# Altium PCB Main.PcbDoc (part 3 of 3)
Units mm, origin at the board's own origin, x right, y up, seen from the top; angles counter-clockwise.
Board outline 100 x 60 mm, 2 copper layers (Top Layer, Bottom Layer); 313 components, 187 nets, 848 pads, 489 vias.
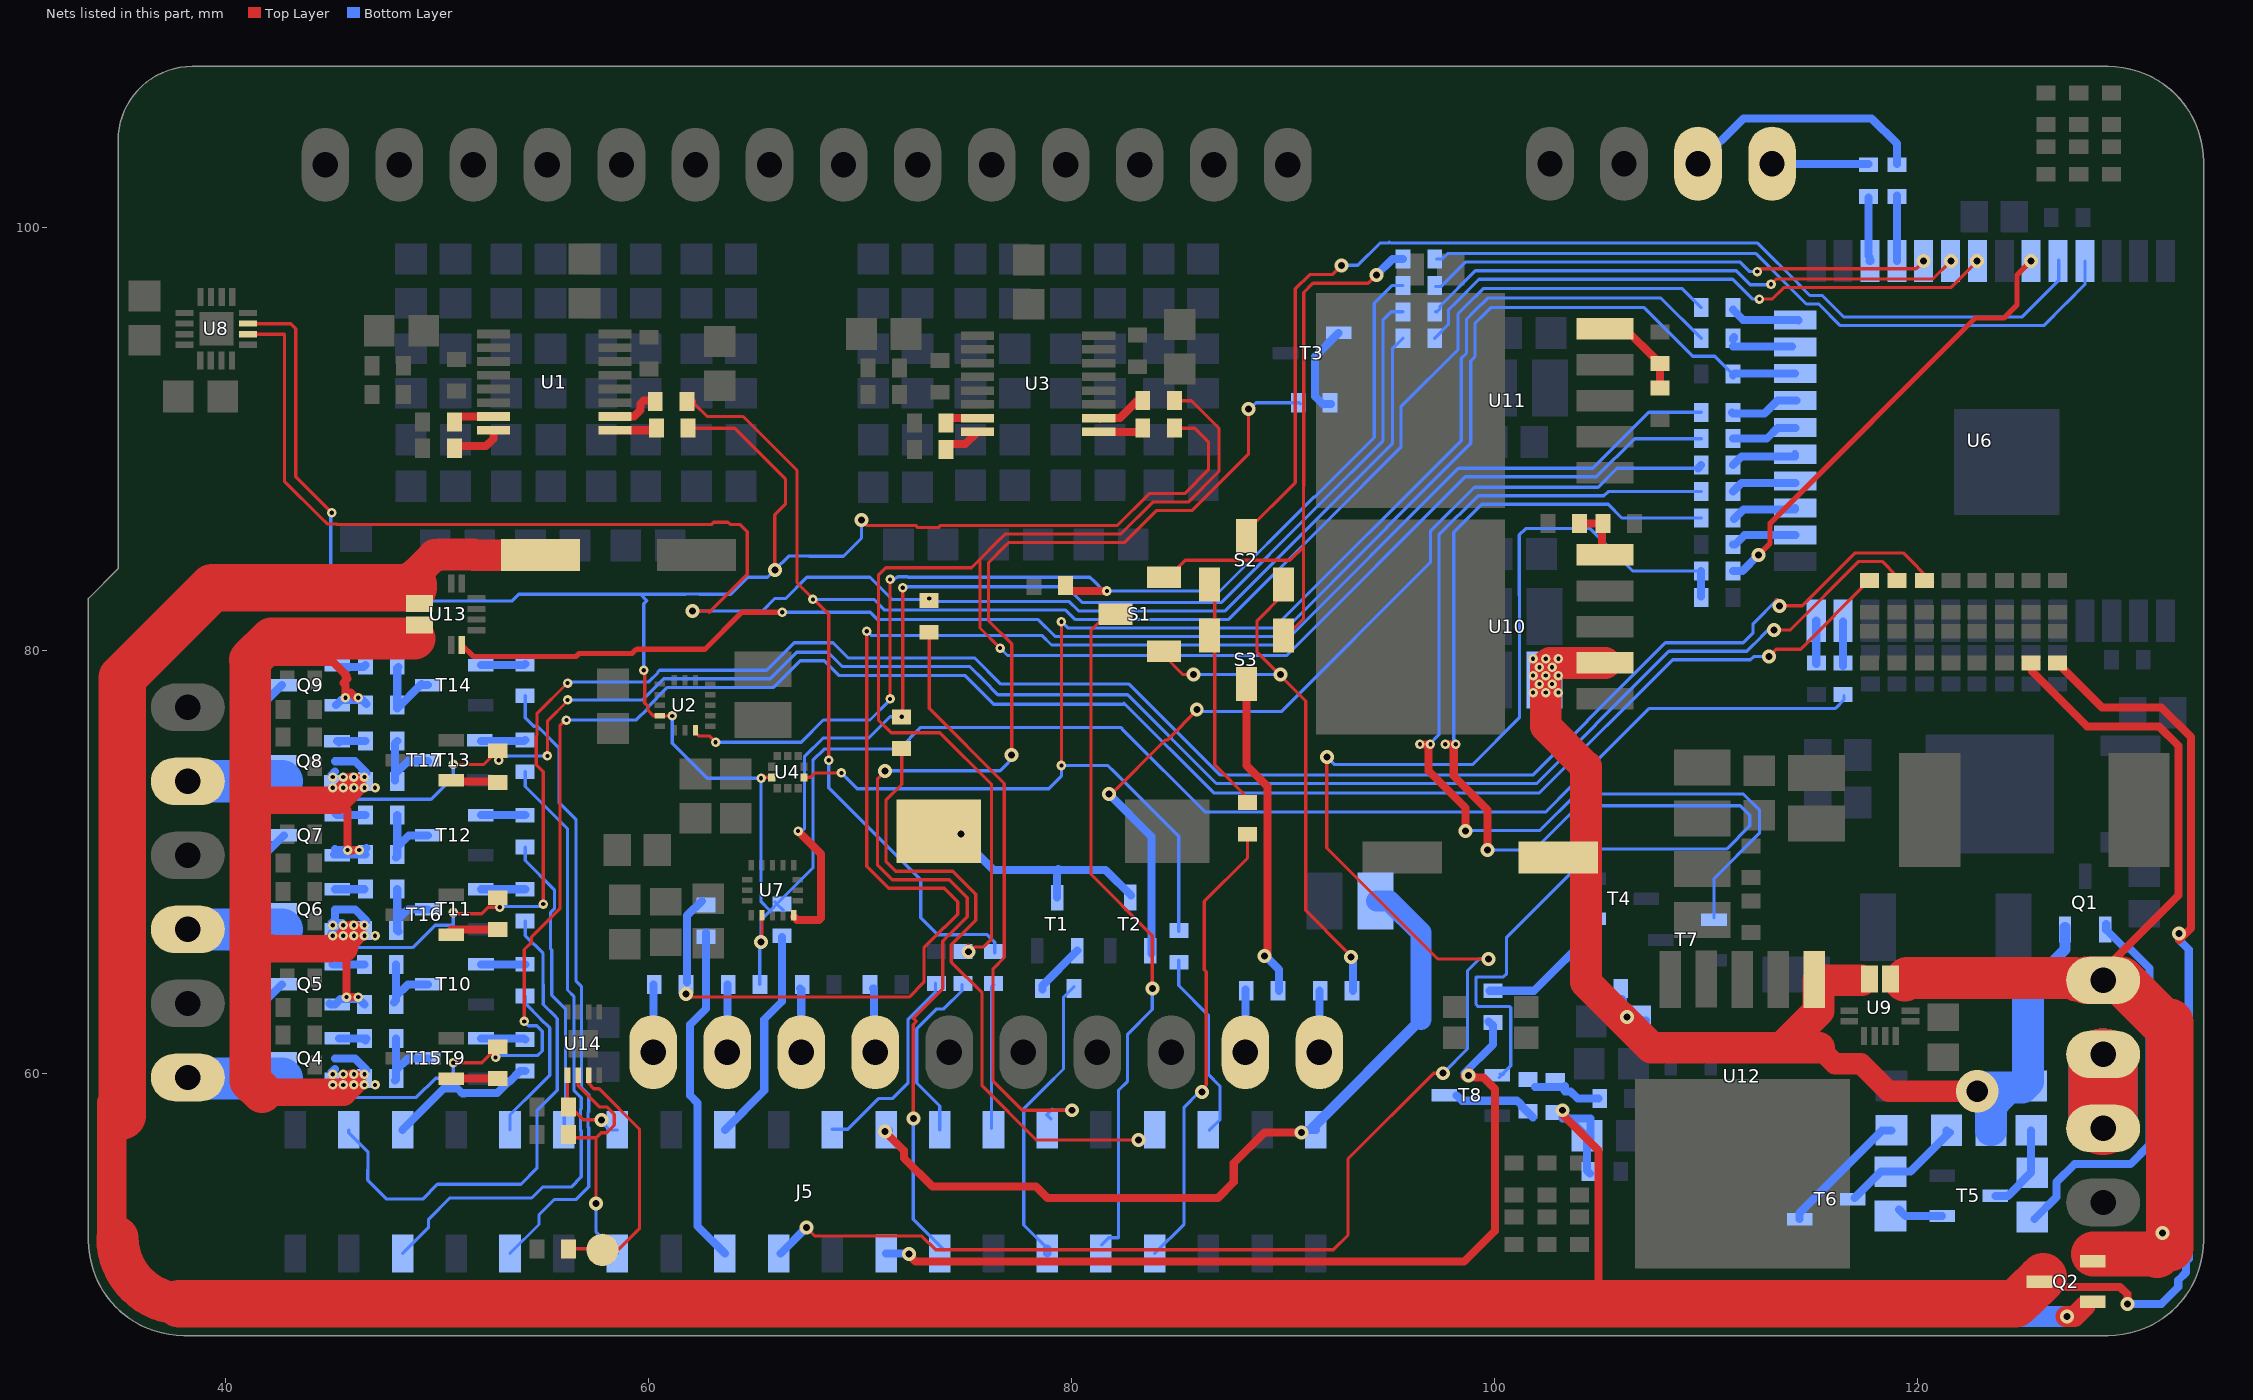
[diagram p3: the nets of this part, all layers, seen from the top]

## Via types
v1: diameter 0.45, hole 0.2, Top Layer to Bottom Layer, 295 vias
v2: diameter 0.66, hole 0.33, Top Layer to Bottom Layer, 147 vias
v3: diameter 1.02, hole 1.02, Top Layer to Bottom Layer, 40 vias
v4: diameter 2.75, hole 2.75, Top Layer to Bottom Layer, 4 vias
v5: diameter 1.6, hole 1.6, Top Layer to Bottom Layer, 2 vias
v6: diameter 2, hole 1, Top Layer to Bottom Layer, 1 vias

## Nets (pads, with @x,y where several pads share a name; then routed paths per layer and width w, separated by ;. In a path a pad name is that pad's centre, name@x,y a point inside that pad or via, vN(x,y) a via of type N, cw(c..) or ccw(c..) an arc to the next point about the centre after c; other vN are vias at no path point) (continued)
NetJ5_5: J5.5 R96.1 | length 9.1
  Bottom Layer w0.152: R96.1@85.05,65.35 85.05,64.15 86.45,62.75 86.45,59.943 87,59.393 87,57.8 J5.5@86.5,57.3
NetJ5_7: J5.7 R97.1 | length 29.1
  Top Layer w0.152: R97.1@71.95,75.3 71.953,75.297 71.953,73.653 71.203,72.903 71.203,70.018 71.671,69.55 74.37,69.55 75.453,68.467 75.453,67.227 74.317,66.09 74.304,66.09 74.297,66.083 74.297,65.253 75.75,63.8 75.75,59.4 78.3,56.85 v2(83.15,56.85)
NetJ5_8: J5.8 R94.2 | length 21.9
  Top Layer w0.152: v2@86,59.1 86.344,59.444 86.344,64.792 86.25,64.886 86.25,68.124 88.3,70.174 R94.2@88.3,71.3 R94.2@88.35,71.35
  Bottom Layer w0.152: J5.8@83.91,51.479 85.3,52.869 85.3,58.4 86.006,59.106 v2(86.152,59.106)
NetJ5_10: J5.10 S1.3 | length 32.1
  Top Layer w0.152: S1.3@81.3,81.35 80.9,80.95 80.9,69.4 83.8,66.5 v2(83.8,64)
  Bottom Layer w0.152: J5.10@81.4,51.884 81.742,52.226 82.2,52.226 82.2,59.2 82.629,59.629 82.629,61.843 83.8,63.014 v2(83.8,64)
NetJ5_11: J5.11 R98.1 | length 28.8
  Top Layer w0.152: R98.1@73.25,80.8 73.25,77.25 76.8,73.7 76.8,65.474 76.272,64.946 76.272,59.628 77.65,58.25 v2(80,58.25)
  Bottom Layer w0.152: J5.11@78.992,57.85 78.8,58.042 79.058,58.3 79.108,58.25 v2(80,58.25)
NetJ5_12: J5.12 R53.1 | length 14.1
  Bottom Layer w0.152: J5.12@78.83,51.72 77.725,52.825 77.725,58.325 78.753,59.353 79.6,60.2 79.6,63.6 R53.1@80.1,64.1
  Bottom Layer w0.381: J5.12@78.83,51.479 J5.12@78.83,51.72
NetJ5_13: J5.13 R99.1 | length 6.8
  Bottom Layer w0.152: J5.13@76.2,57.4 76.2,64.1 R99.1@76.3,64.2
NetJ5_15: J5.15 R100.1 | length 8.4
  Bottom Layer w0.152: J5.15@73.75,57.321 73.75,58.45 72.662,59.538 72.662,62.097 73.609,63.043 73.943,63.043 74.8,63.9 R100.1@74.8,64.2
NetJ5_16: J5.16 R56.2 | length 63.2
  Top Layer w0.152: v2(71.15,74.3) 71.15,74.25 70.8,73.9 70.8,69.851 71.504,69.147 74.203,69.147 75.05,68.3 75.05,67.394 74.15,66.494 74.137,66.494 73.894,66.25 73.894,63.994 72.5,62.6 72.65,62.45 72.5,62.3 v2(72.5,57.85) ; v2(77.15,75.05) 77.15,79.859 77.15,80.297 76.053,81.394 76.053,84.133 76.853,84.933 77.014,85.094 81.13,85.094 81.133,85.09 82.481,85.09 83.99,86.6 85.664,86.6 88.35,89.286 v2(88.35,91.4)
  Bottom Layer w0.152: v2(71.15,74.3) 76.6,74.3 v2@77.4,75.1 ; v2(72.5,57.85) 72.5,53.097 73.947,51.65 J5.16@73.95,51.65 ; v2@88.4,91.5 88.4,91.4 88.7,91.7 90.75,91.7 R56.2@90.8,91.65
NetJ5_18: J5.18 R72.1 | length 41.7
  Top Layer w0.381: v2@72.275,51.425 72.606,51.094 98.544,51.094 100,52.55 100,59.25 99.45,59.8 99.05,59.8 98.85,60 98.779,60.071 v2@98.608,59.9 ; v2@98.55,59.842 v2@98.608,59.9 ; v2(98.75,59.9) v2@98.608,59.9
  Bottom Layer w0.381: J5.18@71.21,51.479 72.329,51.479 v2(72.3,51.45) ; v2(98.75,59.9) 98.65,59.9 98.55,60 99.9,61.35 99.9,62.25 R72.1@99.7,62.45
NetJ5_19: J5.19 R101.1 | length 9.8
  Bottom Layer w0.152: J5.19@68.65,57.35 69.4,57.35 70.85,58.8 71.5,58.8 72.25,59.55 72.25,59.903 ; 72.253,59.907 72.25,59.903 ; R101.1@73.55,64.25 73.55,63.85 72.25,62.55 72.25,59.903
NetJ5_22: J5.22 R85.2 R87.2 | length 88.5
  Top Layer w0.152: v2(67.45,52.7) 67.85,52.3 72.9,52.3 73.55,51.65 92.35,51.65 93.05,52.35 93.05,55.95 97.1,60 v2(97.55,60) ; v2(92.05,74.95) 92.05,70.65 97.3,65.4 v2(99.7,65.4)
  Bottom Layer w0.152: v2(92.05,74.95) 92.4,74.6 98.527,74.6 98.53,74.597 98.947,74.597 101.153,76.803 101.153,83.072 101.15,83.075 ; v2(97.55,60) 98.697,61.147 98.697,64.696 98.7,64.699 98.7,64.85 99.25,65.4 v2(99.7,65.4) ; 101.15,82.6 101.15,83.075 ; R87.2@109.75,83.75 106.5,83.75 104.5,85.75 101.45,85.75 101.15,85.45 101.15,83.075
  Bottom Layer w0.381: J5.22@66.229,51.479 v2(67.45,52.7) ; R85.2@109.75,82.55 R87.2@109.75,83.75
NetJ5_23: J5.23 R102.1 | length 10.3
  Bottom Layer w0.381: J5.23@63.59,57.321 65.45,59.181 65.45,62.55 66.3,63.4 R102.1@66.3,66.45
NetJ5_24: J5.24 R103.2 | length 16.2
  Bottom Layer w0.381: R103.2@62.7,66.65 62.7,63.05 61.95,62.3 61.95,58.95 62.3,58.6 62.3,52.769 J5.24@63.59,51.479
NetJ5_27: J5.27 R164.1 U14.5 | length 4.3
  Top Layer w0.152: U14.5@56.15,59.905 56.15,58.55 56.9,57.8 v2(57.75,57.8)
  Bottom Layer w0.152: v2(57.75,57.8) 57.75,57.7 58.129,57.321 J5.27@58.51,57.321
NetJ5_28: J5.28 R165.1 U14.6 | length 11.6
  Top Layer w0.152: R165.1@56.25,56.95 57.5,56.95 ; U14.6@56.65,59.95 U14.6@56.65,59.905 56.65,59.4 57.64,58.41 58.002,58.41 58.359,58.052 58.359,57.547 58.002,57.19 57.74,57.19 57.5,56.95 ; v2@57.5,53.8 57.5,56.95
  Bottom Layer w0.152: v2@57.5,53.8 57.5,52.489 J5.28@58.51,51.479
  other v2: 57.5,53.85
NetJ5_29: J5.29 R141.1 | length 14.3
  Bottom Layer w0.152: R141.1@54.15,70.7 54.15,70.057 55.528,68.679 55.528,67.781 55.35,67.603 55.35,65.877 55.403,65.824 55.403,63.697 56.05,63.05 56.05,58.47 56,58.42 56,57.351 J5.29@55.97,57.321
NetJ5_31: J5.31 R134.1 | length 7.6
  Bottom Layer w0.152: J5.31@53.43,57.321 53.43,58.03 54.756,59.356 54.763,59.356 55.306,59.899 55.306,62.142 54.863,62.585 54.863,62.587 54.15,63.3 R134.1@54.15,63.65
NetJ5_32: J5.32 R148.1 | length 29.9
  Bottom Layer w0.152: J5.32@53.43,51.479 54.8,52.849 54.8,53.3 55.534,54.034 56.56,54.034 57.156,54.629 57.156,57.432 57.115,57.473 57.115,58.127 57.156,58.168 57.156,58.985 56.806,59.335 56.806,64.105 56.553,64.357 56.553,71.98 55.75,72.783 55.75,75.379 55.691,75.438 55.689,75.438 55.038,76.089 55.038,76.091 54.726,76.403 54.547,76.403 54.15,76.8 R148.1@54.15,77.85
NetJ5_35: J5.35 R131.1 | length 7.1
  Bottom Layer w0.381: J5.35@48.35,57.321 48.35,57.325 50.294,59.269 50.956,59.269 51.175,59.05 51.281,59.05 51.292,59.061 52.828,59.061 53.367,59.6 53.4,59.6 53.9,60.1 R131.1@54.15,60.1
NetJ5_36: J5.36 R145.1 | length 30.5
  Bottom Layer w0.152: J5.36@48.35,51.479 49.582,52.711 49.582,53.1 50.582,54.1 54.45,54.1 54.968,54.618 56.318,54.618 56.8,55.1 56.8,57.285 56.759,57.326 56.759,58.274 56.8,58.315 56.8,58.838 56.45,59.188 56.45,63.634 56.15,63.934 56.15,71.557 54.15,73.557 R145.1@54.15,74.25
NetJ5_37: J5.37 R138.1 | length 24.5
  Bottom Layer w0.152: J5.37@45.81,57.321 45.81,57.19 46.714,56.286 46.714,55.386 ; 46.7,55.45 46.7,54.95 47.6,54.05 49.3,54.05 50,54.75 53.95,54.75 54.7,55.5 54.7,58.232 55.661,59.193 55.661,62.589 55.542,62.708 55,63.25 55,64.2 54.994,64.206 54.994,65.663 54.15,66.507 R138.1@54.15,67.2
NetJ7_1: J7.1 J12.2 | length 5.5
  Top Layer w3.25: J7.1@128.75,57.75 J12.2@128.75,60.5
  Bottom Layer w3.25: J7.1@128.75,57.8 J12.2@128.75,60.5
NetJ14_1: J14.1 Q4.3 R67.2 R129.2 R150.1 | length 106
  Top Layer w0.152: v1(50.75,60.499) 52.099,60.499 R150.1@52.85,61.25 ; v1(54.1,62.45) 54.1,65.849 54.45,66.199 54.45,66.45 55.8,67.8 55.8,76.45 56.075,76.725 v1(56.1,76.7) ; v2(112.95,79.7) 113.3,80.05 114.45,80.05 R67.2@117.7,83.3
  Bottom Layer w0.152: 40.55,59.75 R129.2@40.55,60.8 ; 42.64,59.75 42.89,59.5 43.75,59.5 44.394,58.856 49.006,58.856 49.912,59.762 50.512,59.762 50.75,60 v1(50.75,60.499) ; v1(52.75,60.75) 52.844,60.844 54.744,60.844 54.95,61.05 54.95,61.995 54.695,62.25 54.3,62.25 v1(54.1,62.45) ; v1(56.1,76.7) 56.103,76.703 59.405,76.703 59.935,77.233 59.935,77.308 60.871,78.244 65.894,78.244 67.153,79.503 68.297,79.503 69,78.8 74.95,78.8 76.3,77.45 82.506,77.45 ; 82.461,77.497 86.704,73.253 102.103,73.253 108.401,79.551 112.078,79.551 112.226,79.7 v2(112.95,79.7)
  Bottom Layer w2: J14.1@38.65,59.75 40.55,59.75 42.64,59.75
NetJ15_1: J15.1 Q6.3 R57.2 R136.2 R152.1 | length 104.3
  Top Layer w0.152: v1(50.75,67.6) 50.812,67.537 52.087,67.537 52.4,67.85 v1(52.95,67.85) ; v1(55,68) 55,74.25 54.672,74.578 54.672,75.922 54.7,75.95 54.7,77 v1(56.15,78.45) ; 113.3,82.4 113.45,82.25 v2(113.45,82.1) 114.53,82.1 117.033,84.603 119.297,84.603 120.7,83.2 120.3,83.2 R57.2@120.3,83.3
  Bottom Layer w0.152: 40.55,66.8 R136.2@40.55,67.85 ; 42.9,66.55 43.503,65.947 48.847,65.947 49.9,67 50.75,67 v1(50.75,67.6) ; v1(52.95,67.85) 52.981,67.881 54.881,67.881 v1(55,68) ; v1(56.15,78.45) 56.15,78.4 56.25,78.5 59.986,78.5 60.428,78.942 60.428,78.978 60.5,79.05 65.56,79.05 66.86,80.35 68.7,80.35 69.416,79.634 71.35,79.634 ; 71.357,79.634 75.407,79.634 76.641,78.4 82.7,78.4 86.699,74.399 86.748,74.35 ; 86.7,74.4 86.997,74.103 101.813,74.103 104.36,76.65 104.36,76.66 108.058,80.358 111.744,80.358 112.203,80.817 112.203,81.253 113.35,82.4 113.45,82.3 v2(113.45,82.1)
  Bottom Layer w2: J15.1@38.7,66.8 40.55,66.8 42.65,66.8
NetJ16_1: J16.1 Q8.3 R61.2 R143.2 R154.1 | length 94.2
  Top Layer w0.152: v1(50.75,74.599) 52.2,74.599 R154.1@52.85,75.25 52.85,74.85 v1(52.9,74.8) ; v1(55.2,75) 55.1,75 55.084,75.016 55.316,75.016 55.2,75.131 55.2,76.65 56.15,77.6 v1(56.15,77.65) ; v2(113.2,80.95) 113.95,80.95 117.2,84.2 118.3,84.2 119,83.5 R61.2@119,83.3
  Bottom Layer w0.152: 40.55,73.8 R143.2@40.55,74.8 ; 42.65,73.8 43.5,72.95 46.121,72.95 46.124,72.953 47.076,72.953 47.079,72.95 47.621,72.95 47.624,72.953 48.576,72.953 48.579,72.95 49.7,72.95 50.75,74 v1(50.75,74.599) ; v1(52.9,74.8) 53.094,74.994 v1@55.1,74.994 ; v1(56.15,77.65) 59.707,77.65 60.704,78.647 65.727,78.647 66.986,79.906 68.464,79.906 69.139,79.231 75.169,79.231 75.8,78.6 76.5,77.9 82.628,77.9 86.828,73.7 101.98,73.7 104.763,76.483 104.763,76.493 108.225,79.955 111.911,79.955 112.606,80.65 112.606,80.656 112.9,80.95 v2(113.2,80.95)
  Bottom Layer w2: J16.1@38.7,73.8 40.55,73.8 42.65,73.8
NetJ17_1: J17.1 R155.2 | length 3
  Bottom Layer w0.381: R155.2@70.594,64 70.65,64 70.65,61.15 J17.1@70.7,61.1
NetJ17_2: J17.2 R156.2 | length 2.9
  Bottom Layer w0.381: R156.2@67.15,64 67.2,63.95 J17.2@67.2,61.1
NetJ18_1: J18.1 R157.2 | length 3.3
  Bottom Layer w0.381: J18.1@63.7,60.95 63.71,60.96 R157.2@63.71,64.2
NetJ18_2: J18.2 R158.2 | length 3.2
  Bottom Layer w0.381: J18.2@60.2,61 60.21,61.01 R158.2@60.21,64.2
NetJ19_1: J19.1 R159.2 | length 11.7
  Bottom Layer w0.381: J19.1@109.6,103 111.744,105.144 117.806,105.144 119,103.95 R159.2@119,102.99
NetJ19_2: J19.2 R160.2 | length 4.7
  Bottom Layer w0.381: J19.2@113,102.9 113.09,102.99 R160.2@117.65,102.99
NetJ20_1: J20.1 R161.2 | length 2.9
  Bottom Layer w0.381: J20.1@91.7,61 R161.2@91.7,63.9
NetJ20_2: J20.2 R162.2 | length 2.9
  Bottom Layer w0.381: J20.2@88.2,61.1 R162.2@88.2,63.95
NetLS1_1: LS1.1 T1.3 T2.3 | length 11
  Bottom Layer w0.381: v2@74.6,71.3 v2(74.75,71.3) v2@74.945,71.3 ; v2@74.65,71.25 76.295,69.605 79.305,69.605 ; T1.3@79.3,68.305 79.3,69.6 79.305,69.605 ; 79.35,69.65 79.305,69.605 ; 79.4,69.605 79.305,69.605 ; 79.45,69.6 79.46,69.61 81.59,69.61 T2.3@82.8,68.4
NetQ1_1: Q1.1 R89.2 | length 18.7
  Bottom Layer w0.381: R89.2@125.5,53.1 126.55,54.15 126.55,54.85 127.4,55.7 130.05,55.7 130.95,56.6 130.95,64.963 130.004,65.909 129.776,65.909 128.9,66.785 Q1.1@128.9,67.05
NetQ2_1: Q2.1 R115.2 | length 21.9
  Top Layer w1: v2@127,48.5 127.4,48.5 Q2.1@127.9,49
  Bottom Layer w1: R115.2@106.75,49.65 107.9,48.5 v2(127.05,48.5)
NetQ4_1: Q4.1 R128.2 | length 1.3
  Bottom Layer w0.381: Q4.1@45.35,61.65 46.5,61.65 R128.2@46.6,61.55
NetQ5_1: Q5.1 R132.2 | length 1.5
  Bottom Layer w0.381: Q5.1@45.05,65.15 45.15,65.15 R132.2@46.55,65.15
NetQ5_3: Q5.3 R129.1 | length 3
  Bottom Layer w0.381: R129.1@40.45,62.25 40.69,62.25 Q5.3@42.64,64.2
NetQ6_1: Q6.1 R135.2 | length 1.4
  Bottom Layer w0.381: Q6.1@45.155,68.7 R135.2@46.55,68.7
NetQ7_1: Q7.1 R139.2 | length 1.5
  Bottom Layer w0.381: Q7.1@45.15,72.3 45.25,72.2 R139.2@46.6,72.2
NetQ7_3: Q7.3 R136.1 | length 2.9
  Bottom Layer w0.381: R136.1@40.6,69.4 40.895,69.4 Q7.3@42.745,71.25
NetQ8_1: Q8.1 R142.2 | length 1.3
  Bottom Layer w0.381: Q8.1@45.25,75.7 Q8.1@45.255,75.7 ; Q8.1@45.35,75.65 45.4,75.7 R142.2@46.6,75.7
NetQ9_1: Q9.1 R146.2 | length 1.2
  Bottom Layer w0.381: Q9.1@45.4,79.2 46.5,79.2 R146.2@46.6,79.3
NetQ9_3: Q9.3 R143.1 | length 2.9
  Bottom Layer w0.381: R143.1@40.55,76.5 40.795,76.5 Q9.3@42.645,78.35
NetR1_2: R1.2 U1.1 | length 2.1
  Top Layer w0.381: U1.1@58.39,90.4 60.3,90.4 R1.2@60.4,90.5
NetR2_1: R2.1 R59.1 R99.2 | length 85.7
  Top Layer w0.152: 62.15,91.8 62.15,91.65 62.75,91.05 64.45,91.05 67,88.5 67,83.2 68.5,81.7 v1(68.5,74.8)
  Bottom Layer w0.152: v1(67.75,82.4) 70.65,82.4 71.153,81.897 79.7,81.897 80.141,81.456 87.406,81.456 91.99,86.04 95.553,89.603 95.553,91.519 98.25,94.215 98.25,95.9 98.65,96.3 99.45,97.1 108.85,97.1 R59.1@109.75,96.2 ; v1(68.5,74.8) 68.5,73.5 72.85,69.15 72.85,68.036 72.847,68.033 72.847,67.353 73.65,66.55 74.764,66.55 74.767,66.553 75.997,66.553 76.35,66.2 R99.2@76.35,65.7
NetR2_2: R2.2 U1.2 | length 2.7
  Top Layer w0.381: U1.2@58.15,91.05 U1.2@58.39,91.05 59.3,91.05 59.6,91.35 59.6,91.65 59.75,91.8 R2.2@60.4,91.8
NetR3_2: R3.2 U1.16 | length 2.4
  Top Layer w0.381: R3.2@50.8,89.65 52.3,89.65 52.65,90 U1.16@52.65,90.4
NetR4_2: R4.2 U1.15 | length 1.8
  Top Layer w0.381: R4.2@50.9,90.9 51.05,91.05 U1.15@52.65,91.05
NetR7_2: R7.2 U3.1 | length 2.2
  Top Layer w0.381: U3.1@81.27,90.325 83.175,90.325 R7.2@83.35,90.5
NetR8_1: R8.1 R78.2 R100.2 | length 87
  Top Layer w0.152: v2@75.1,66.05 75.106,66.044 v2(75.106,65.744) ; 75.373,65.973 75.823,65.973 76.2,66.35 76.2,73.65 73.75,76.1 71.45,76.1 70.85,76.7 70.85,83.547 71.203,83.9 75.25,83.9 75.65,84.3 ; v1(76.6,80.1) 75.65,81.05 75.65,84.3 ; R8.1@84.85,91.8 84.907,91.8 85.65,91.8 86.95,90.5 86.95,88.456 85.497,87.003 83.823,87.003 82.314,85.494 81.3,85.494 81.297,85.497 76.847,85.497 76.45,85.1 75.65,84.3
  Bottom Layer w0.152: v1(76.6,80.1) 76.95,79.75 90.15,79.75 98.597,88.197 104.797,88.197 106.6,90 R78.2@109.75,90
NetR8_2: R8.2 U3.2 | length 2.5
  Top Layer w0.381: U3.2@81.321,90.924 U3.2@81.27,90.975 82.275,90.975 83.1,91.8 R8.2@83.35,91.8
NetR9_2: R9.2 U3.16 | length 1.7
  Top Layer w0.381: R9.2@74.1,89.75 74.15,89.75 74.955,89.75 U3.16@75.53,90.325
NetR10_2: R10.2 U3.15 | length 1.2
  Top Layer w0.381: R10.2@74.351,90.975 U3.15@75.53,90.975
NetR53_2: R53.2 T1.1 | length 2.5
  Bottom Layer w0.381: R53.2@78.6,63.95 78.6,64.145 T1.1@80.25,65.795
NetR54_1: R54.1 U6.19 | length 3.2
  Bottom Layer w0.381: R54.1@111.25,88.75 111.656,89.156 114.19,89.156 U6.19@114.19,89.265
NetR54_2: R54.2 T2.1 | length 43.6
  Top Layer w0.152: v2(81.75,73.2) 81.85,73.2 84.4,75.75 84.5,75.75 v2@85.975,77.225
  Bottom Layer w0.152: v2@86.1,77.1 89.9,77.1 96.947,84.147 96.947,85.617 99.033,87.703 104.873,87.703 105.77,88.6 R54.2@109.6,88.6
  Bottom Layer w0.381: v2(81.75,73.2) 83.75,71.2 T2.1@83.75,65.65 ; R54.2@109.6,88.6 R54.2@109.75,88.75
  other v2: 85.9,77.2
NetR56_1: R56.1 T3.1 | length 4.4
  Bottom Layer w0.381: R56.1@92.25,91.65 91.85,91.65 91.5,92 91.5,93.895 T3.1@92.605,95
NetR59_2: R59.2 U6.24 | length 3.3
  Bottom Layer w0.381: R59.2@111.25,96.1 111.735,95.615 114.335,95.615 U6.24@114.35,95.6
NetR60_1: R60.1 R95.2 U2.8 | length 52.4
  Top Layer w0.152: U2.8@62.2,76.175 62.2,76.1 62.35,75.95 62.85,75.95 v1(63.15,75.65) ; v1@71.4,77.672 v1(71.4,77.7) v1(71.4,83.35)
  Top Layer w0.381: R95.2@79.75,83 79.95,82.8 v1(81.65,82.8)
  Bottom Layer w0.152: v1(63.15,75.65) 63.644,75.65 63.647,75.647 67.197,75.647 68.25,76.7 70.45,76.7 71.4,77.65 v1(71.4,77.7) ; v1@71.4,83.4 71.527,83.273 71.703,83.45 71.753,83.45 71.781,83.478 72.219,83.478 72.247,83.45 80.85,83.45 81.045,83.255 81.5,82.8 v1(81.65,82.8) 87,82.8 91.45,87.25 91.489,87.25 94.297,90.057 94.297,96.397 95.15,97.25 R60.1@95.65,97.25
NetR60_2: R60.2 U6.29 | length 23.9
  Top Layer w0.152: v1(112.4,97.9) 112.538,98.038 119.908,98.038 v2@120.27,98.4
  Bottom Layer w0.152: R60.2@97.2,97.2 97.45,97.2 98.6,98.35 111.6,98.35 112.05,97.9 v1(112.4,97.9)
  other v2: 120.25,98.4
NetR62_2: R62.2 U6.14 | length 2.1
  Bottom Layer w0.381: U6.14@115.19,81.4 115.19,79.36 R62.2@115.2,79.35
NetR63_2: R63.2 U6.16 | length 3.1
  Bottom Layer w0.381: R63.2@111.25,85 111.357,85 111.807,85.45 U6.16@114.2,85.45
NetR65_2: R65.2 U6.13 | length 2.1
  Bottom Layer w0.381: R65.2@116.45,79.25 U6.13@116.45,81.35
NetR66_1: R66.1 R96.2 U4.6 | length 72.3
  Top Layer w0.152: U4.6@67.35,73.997 67.647,73.997 67.85,74.2 v1(69.1,74.2) ; v1(79.5,74.55) v1@79.5,81.3
  Bottom Layer w0.152: v1(69.1,74.2) 69.85,73.45 78.9,73.45 79.5,74.05 v1(79.5,74.55) 81.7,74.55 82.018,74.232 85.05,71.2 R96.2@85.05,66.7 ; v1(79.5,81.35) 79.797,81.053 89.553,81.053 98.403,89.903 98.403,93.798 98.653,94.048 98.653,95.653 99.053,96.053 99.65,96.65 107.85,96.65 R66.1@109.75,94.75
NetR66_2: R66.2 U6.23 | length 3
  Bottom Layer w0.381: R66.2@111.25,94.35 U6.23@114.05,94.35 ; R66.2@111.25,94.75 111.25,94.7 111.3,94.75 R66.2@111.3,94.8
NetR69_1: R69.1 R97.2 U7.5 | length 54.8
  Top Layer w0.152: R97.2@71.7,77.1 v1(71.95,76.85) ; R97.2@71.95,76.95 72,77 v1(72,82.95)
  Top Layer w0.381: U7.5@66.859,67.4 67.009,67.25 68.031,67.25 68.131,67.35 68.131,70.369 v1(67.05,71.45)
  Bottom Layer w0.152: v1(67.05,71.45) 67.05,71.35 67.1,71.3 67.35,71.55 67.35,74.967 68.233,75.85 70.397,75.85 71.397,76.85 v1(71.95,76.85) ; v1@71.95,82.9 v1(72,82.95) 71.95,83 79.737,83 80.475,82.263 87.072,82.263 91.656,86.847 94.7,89.89 94.7,95.6 95.1,96 R69.1@95.65,96
NetR69_2: R69.2 U6.30 | length 26
  Top Layer w0.152: v1@113.038,97.288 v1(113.05,97.3) 113.3,97.55 120.7,97.55 v2(121.55,98.4)
  Bottom Layer w0.152: R69.2@97.2,96 97.25,96 97.4,96.15 97.4,96.271 99.076,97.947 111.403,97.947 112.069,97.281 v1@113.031,97.281
  Bottom Layer w0.381: v1@113.031,97.281 v1(113.05,97.3)
NetR71_1: R71.1 R98.2 U8.2 | length 80
  Top Layer w0.152: U8.2@40.9,94.936 42.764,94.936 42.764,87.986 44.469,86.281 44.472,86.281 44.781,85.972 45.219,85.972 45.24,85.95 62.964,85.95 63.067,86.053 63.733,86.053 63.836,85.95 64.3,85.95 64.65,85.6 64.65,83.6 62.85,81.8 62.8,81.85 v2(62.05,81.85)
  Bottom Layer w0.152: v2(62.05,81.85) 64.664,81.85 64.667,81.847 65.347,81.847 65.947,82.447 66.467,82.447 67.47,83.45 70.45,83.45 71.5,82.4 73.263,82.4 73.363,82.3 79.867,82.3 80.308,81.86 87.239,81.86 91.823,86.444 95.15,89.77 95.15,94.25 R71.1@95.65,94.75
  other v1: 73.25,82.45
NetR71_2: R71.2 U6.31 | length 28.4
  Top Layer w0.152: v1@112.45,96.6 113.097,96.6 113.644,97.147 121.547,97.147 v2(122.8,98.4)
  Bottom Layer w0.152: R71.2@97.15,94.75 97.803,95.403 97.803,96.104 98.206,96.507 ; 98.207,96.507 99.244,97.544 111.236,97.544 112.18,96.6 v1(112.5,96.6)
NetR72_2: R72.2 T4.1 | length 6.7
  Bottom Layer w0.381: R72.2@99.75,63.9 101.85,63.9 104.7,66.75 T4.1@104.7,67.35
NetR75_1: R75.1 U6.35 | length 34
  Bottom Layer w0.152: R75.1@97.25,98.5 97.5,98.5 97.753,98.753 112.344,98.753 113.95,97.147 113.95,97.141 114.723,96.368 115.316,96.368 116.334,95.35 125.95,95.35 126.95,96.35 ; 127,96.4 127.89,97.29 U6.35@127.89,98.4